# Altium PCB 1166V31.PcbDoc (part 3 of 7)
Units mil, origin at the board's own origin, x right, y up, seen from the top; angles counter-clockwise.
Board outline 6140.98 x 3937.01 mil, 8 copper layers (Top Layer, Layer 1, Layer 2, Layer 3, Layer 4, Layer 5, Layer 6, Bottom Layer), stack 63.002 mil thick; 647 components, 363 nets, 2300 pads, 1594 vias.
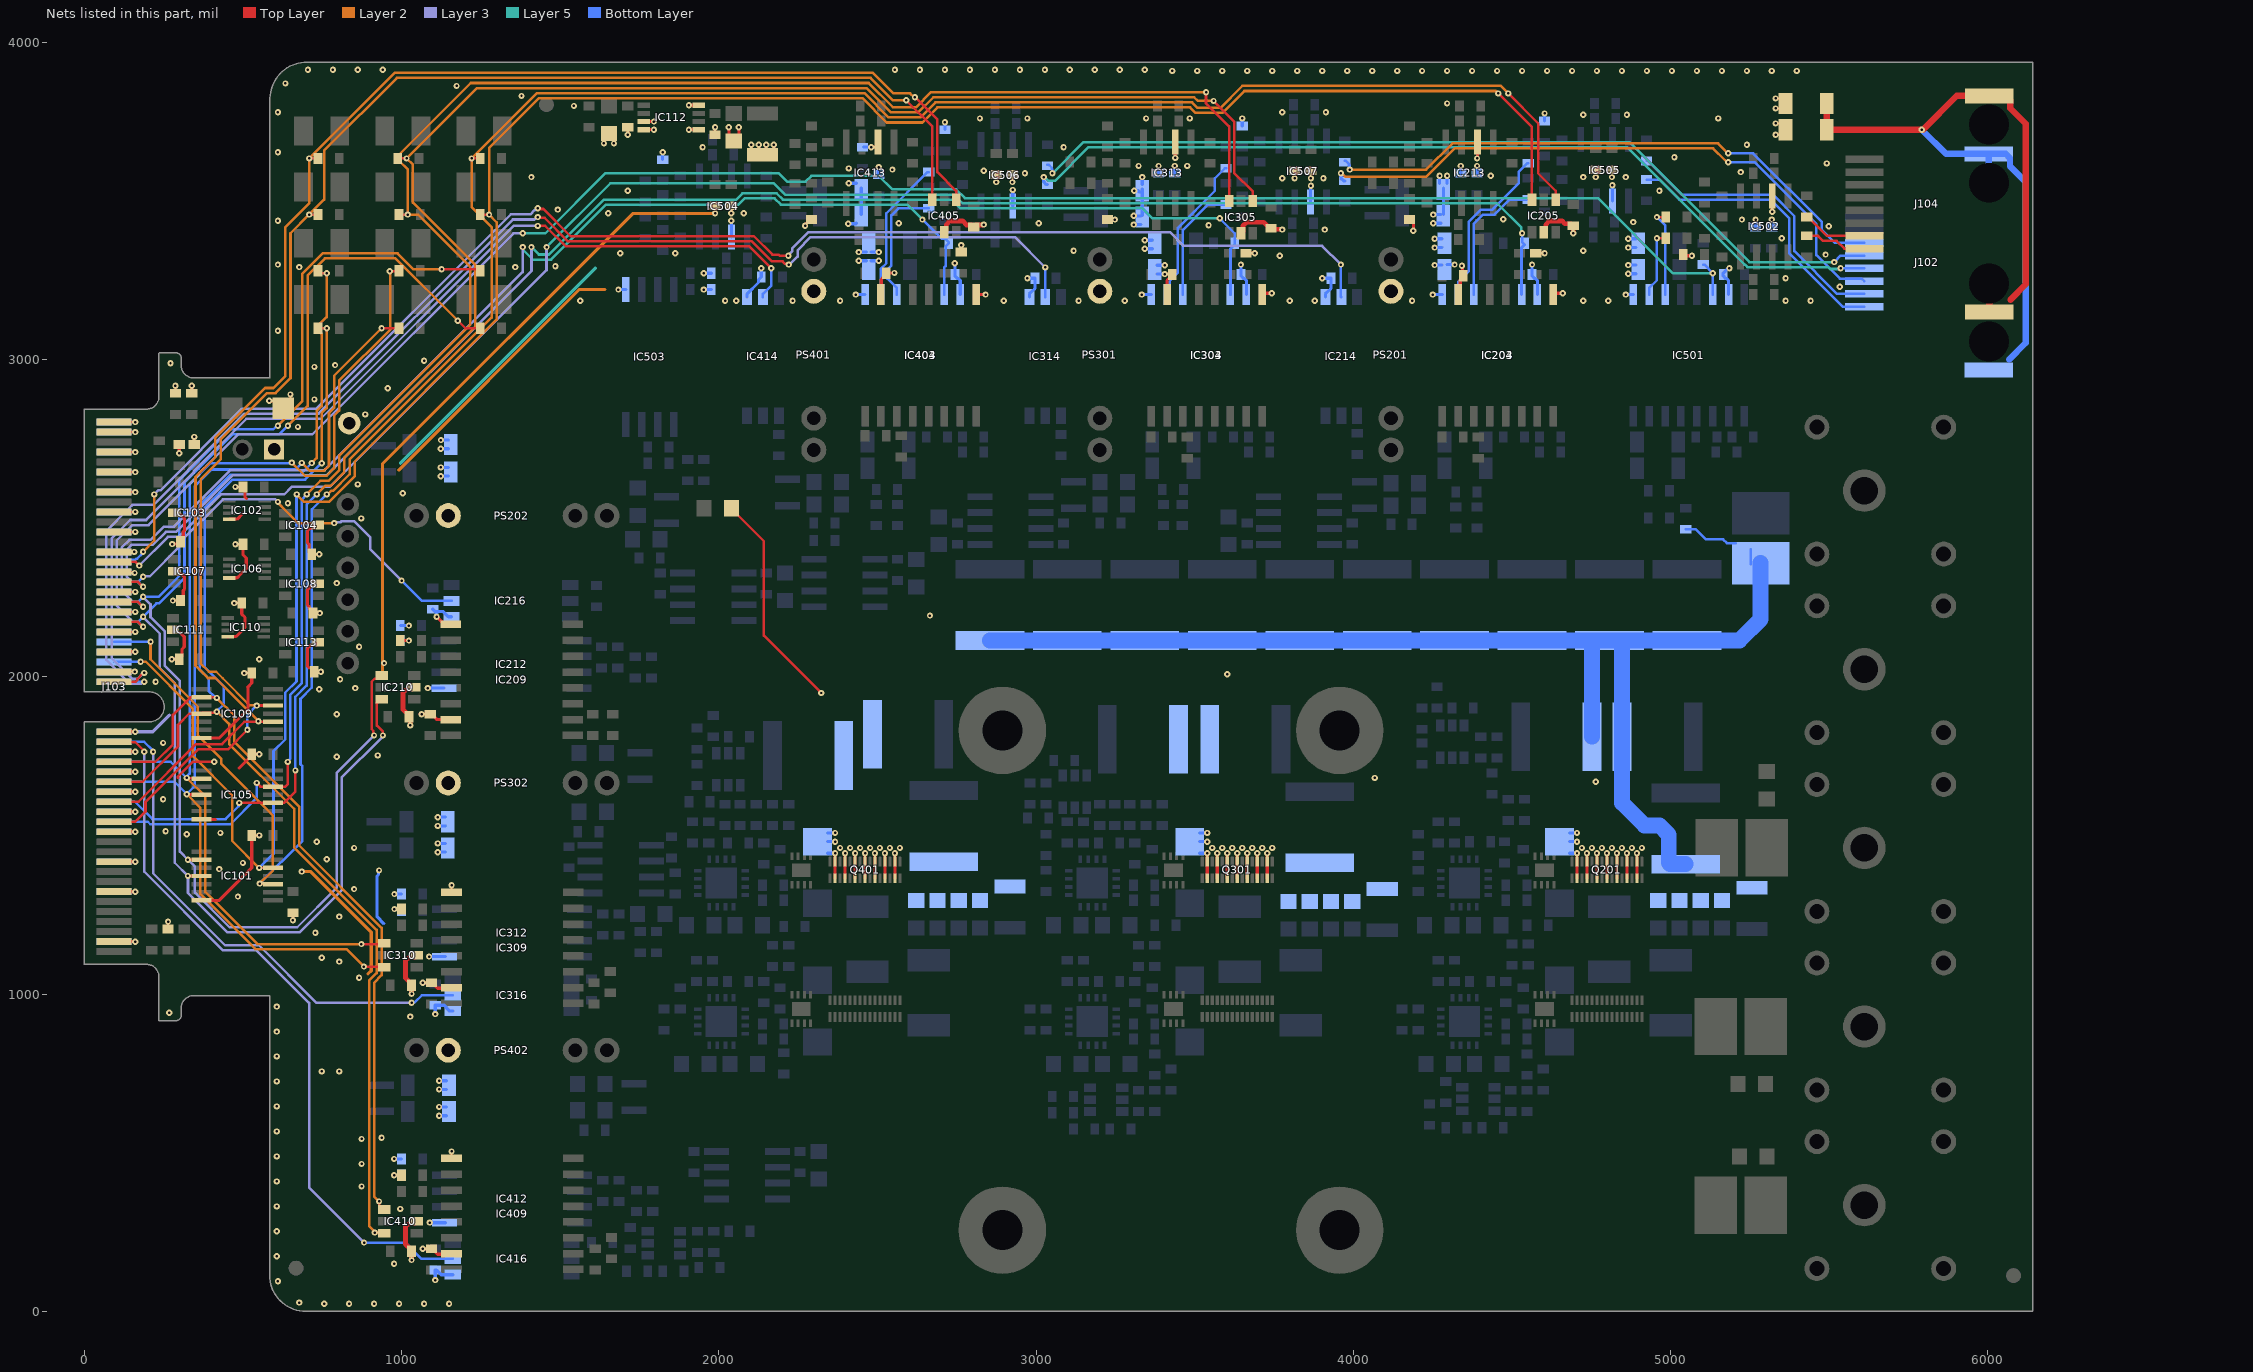
[diagram p9: the nets of this part, all layers, seen from the top]

## Via types
v1: diameter 19.68, hole 7.87, Top Layer to Bottom Layer, 1594 vias

## Nets (pads, with @x,y where several pads share a name; then routed paths per layer and width w, separated by ;. In a path a pad name is that pad's centre, name@x,y a point inside that pad or via, vN(x,y) a via of type N, cw(c..) or ccw(c..) an arc to the next point about the centre after c; other vN are vias at no path point) (continued)
DC: C201.1 C202.1 C203.1 C204.1 C205.1 C301.1 C302.1 C303.1 C304.1 C305.1 C401.1 C402.1 C403.1 C404.1 C405.1 C521.1 C522.1 C523.1 C524.1 C525.1 C526.1 C527.1 C543.1 C544.1 C545.1 C546.1 C547.1 C548.1 C549.1 C550.1 C551.1 C552.1 C553.1 C554.1 D202.2 D302.2 D402.2 Q201.3 Q201.4 Q201.7 Q201.8 Q201.11 Q201.12 Q201.15 Q201.16 Q201.19 Q201.20 Q201.23 Q201.24 Q201.27 Q201.28 Q301.3 Q301.4 Q301.7 Q301.8 Q301.11 Q301.12 Q301.15 Q301.16 Q301.19 Q301.20 Q301.23 Q301.24 Q301.27 Q301.28 Q401.3 Q401.4 Q401.7 Q401.8 Q401.11 Q401.12 Q401.15 Q401.16 Q401.19 Q401.20 Q401.23 Q401.24 Q401.27 Q401.28 R511.2 R515.1 R517.2 | length 6572.1
  Top Layer w8: R511.2@2039.37,2531.5 2039.37,2529.53 2141.73,2427.17 2141.73,2129.92 v1(2322.83,1948.82)
  Top Layer w10: Q401.4@2366.14,1364.96 Q401.3@2366.14,1417.32 v1(2366.14,1443.7) ; Q401.8@2397.64,1364.96 Q401.7@2397.64,1417.32 v1(2397.64,1443.7) ; Q401.12@2429.13,1364.96 Q401.11@2429.13,1417.32 v1(2429.13,1443.7) ; Q401.16@2460.63,1364.96 Q401.15@2460.63,1417.32 v1(2460.63,1443.7) ; Q401.20@2492.13,1364.96 Q401.19@2492.13,1417.32 v1(2492.13,1443.7) ; Q401.24@2523.62,1364.96 Q401.23@2523.62,1417.32 v1(2523.62,1443.7) ; Q401.28@2555.12,1364.96 Q401.27@2555.12,1417.32 v1(2555.12,1443.7) ; Q301.4@3539.37,1364.96 Q301.3@3539.37,1417.32 v1(3539.37,1443.7) ; Q301.8@3570.87,1364.96 Q301.7@3570.87,1417.32 v1(3570.87,1443.7) ; Q301.12@3602.36,1364.96 Q301.11@3602.36,1417.32 v1(3602.36,1443.7) ; Q301.16@3633.86,1364.96 Q301.15@3633.86,1417.32 v1(3633.86,1443.7) ; Q301.20@3665.35,1364.96 Q301.19@3665.35,1417.32 v1(3665.35,1443.7) ; Q301.24@3696.85,1364.96 Q301.23@3696.85,1417.32 v1(3696.85,1443.7) ; Q301.28@3728.35,1364.96 Q301.27@3728.35,1417.32 v1(3728.35,1443.7) ; Q201.4@4704.72,1364.96 Q201.3@4704.72,1417.32 v1(4704.72,1443.7) ; Q201.8@4736.22,1364.96 Q201.7@4736.22,1417.32 v1(4736.22,1443.7) ; Q201.12@4767.72,1364.96 Q201.11@4767.72,1417.32 v1(4767.72,1443.7) ; Q201.16@4799.21,1364.96 Q201.15@4799.21,1417.32 v1(4799.21,1443.7) ; Q201.20@4830.71,1364.96 Q201.19@4830.71,1417.32 v1(4830.71,1443.7) ; Q201.24@4862.2,1364.96 Q201.23@4862.2,1417.32 v1(4862.2,1443.7) ; Q201.28@4893.7,1364.96 Q201.27@4893.7,1417.32 v1(4893.7,1443.7)
  Bottom Layer w8: R515.1@5047.24,2464.57 5079.73,2464.57 5111.23,2433.07 5165.35,2433.07 5177.17,2421.26 R517.2@5204.72,2421.26 ; R517.2@5251.97,2354.33 R517.2@5251.97,2401.57
  Bottom Layer w10: D402.2@2342.52,1443.7 v1(2366.14,1443.7) ; D402.2@2342.52,1480.31 v1(2366.14,1480.31) ; D402.2@2342.52,1507.87 v1(2366.14,1507.87) ; D302.2@3515.75,1443.7 v1(3539.37,1443.7) ; D302.2@3515.75,1480.31 v1(3539.37,1480.31) ; D302.2@3515.75,1507.87 v1(3539.37,1507.87) ; D202.2@4681.1,1443.7 v1(4704.72,1443.7) ; D202.2@4681.1,1480.31 v1(4704.72,1480.31) ; D202.2@4681.1,1507.87 v1(4704.72,1507.87)
  Bottom Layer w50: C553.1@2854.33,2114.17 C543.1@3098.43,2114.17 C544.1@3342.52,2114.17 C545.1@3586.61,2114.17 C546.1@3830.71,2114.17 C547.1@4074.8,2114.17 C548.1@4318.9,2114.17 C549.1@4562.99,2114.17 C550.1@4751.97,2114.17 ; C526.1@4751.97,1811.02 C550.1@4751.97,2114.17 ; C527.1@5047.24,1409.45 4998.38,1409.45 4993.86,1413.98 4993.86,1502.21 4964.57,1531.5 4917.32,1531.5 4846.46,1602.36 C554.1@4846.46,1811.02 4846.46,2109.65 C550.1@4841.93,2114.17 ; R517.2@5283.46,2358.27 5283.46,2181.1 5216.54,2114.17 C551.1@5051.18,2114.17 C550.1@4841.93,2114.17 ; C550.1@4751.97,2114.17 C550.1@4807.09,2114.17 C550.1@4841.93,2114.17
  other v1: 2381.89,1460.63 2413.39,1460.63 2444.88,1460.63 2476.38,1460.63 2507.87,1460.63 2539.37,1460.63 2570.87,1460.63 3555.12,1460.63 3586.61,1460.63 3618.11,1460.63 3649.61,1460.63 3681.1,1460.63 3712.6,1460.63 3744.09,1460.63 4720.47,1460.63 4751.97,1460.63 4783.46,1460.63 4814.96,1460.63 4846.46,1460.63 4877.95,1460.63 4909.45,1460.63 4763.78,1669.29 4066.93,1681.1 3602.36,2007.87 2665.35,2192.91
FE: CX101.1 J102.S J104.S RX101.1 | length 2553.7
  Top Layer w20: RX101.1@5492.13,3807.09 CX101.1@5492.13,3724.41 v1(5791.34,3724.41) 5795.28,3724.41 5901.97,3831.1 J104.S@6003.94,3831.1 6056.89,3831.1 6070.51,3817.48 6070.51,3791.89 6119.13,3743.27 6119.13,3237.04 6070.87,3188.78 ; J104.S@6003.94,3149.21 J104.S@6003.94,3240.16
  Bottom Layer w20: v1(5791.34,3724.41) 5867.72,3648.03 J102.S@6002.95,3648.03 ; J102.S@6002.95,3557.09 J102.S@6002.95,3648.03 ; 6066.93,3000 6119.13,3052.2 6119.13,3559.22 6069.53,3608.82 6069.53,3634.41 6055.91,3648.03 J102.S@6002.95,3648.03
GaN_H1_FAULT: IC101.12 IC205.6 J103.50 R201.2 | length 7366.1
  Top Layer w8: v1(551.18,1397.64) IC101.12@594.49,1397.64 ; R201.2@1248.03,3456.69 v1(1275.59,3456.69) ; v1(4456.69,3838.58) 4562.8,3732.48 IC205.6@4562.8,3503.57
  Layer 2 w8: v1(177.17,2047.24) 193.91,2047.24 342.27,1898.88 342.27,1750.23 347.43,1745.07 466.35,1626.15 466.35,1482.47 v1(551.18,1397.64) ; v1(669.29,2574.8) 692.91,2551.18 771.5,2551.18 851.91,2631.58 851.91,2677.72 1299.72,3125.54 1299.72,3432.57 v1(1275.59,3456.69) 1275.59,3666.35 1432.75,3823.51 2452.12,3823.51 2528.73,3746.9 2641.56,3746.9 2689.17,3794.52 3485.01,3794.52 3502.41,3777.12 3587.15,3777.12 3656.23,3846.2 4448.82,3846.2 4456.44,3838.58 v1(4456.69,3838.58)
  Bottom Layer w8: J103.50@93.96,2047.07 176.99,2047.07 v1(177.17,2047.24) ; v1(551.18,1397.64) 596.27,1442.72 596.27,1765.56 633.35,1802.65 633.35,1950.26 668.79,1985.7 668.79,2574.3 v1(669.29,2574.8)
GaN_H1_OT: IC101.10 IC205.4 J103.46 R202.2 | length 7595.4
  Top Layer w8: v1(552.85,1348.12) 553.68,1347.29 593.66,1347.29 IC101.10@594.49,1346.46 ; v1(1220.47,3633.86) R202.2@1248.03,3633.86 ; v1(4488.19,3838.58) 4582.68,3744.09 4582.68,3586.61 4637.8,3531.5 IC205.4@4637.8,3503.57
  Layer 2 w8: v1(208.66,2110.24) 208.66,2055.12 358.27,1905.51 358.27,1814.96 431.29,1741.94 431.29,1726.27 594.49,1563.07 594.49,1389.76 v1(552.85,1348.12) ; v1(763.78,2574.8) 766.94,2574.8 777.74,2585.61 783.3,2585.61 835.91,2638.21 835.91,2684.35 1283.72,3132.16 1283.72,3417.07 1220.47,3480.31 v1(1220.47,3633.86) 1426.12,3839.51 2458.75,3839.51 2535.36,3762.9 2634.93,3762.9 2682.55,3810.52 3491.64,3810.52 3509.04,3793.12 3580.52,3793.12 3649.61,3862.2 4464.57,3862.2 v1(4488.19,3838.58)
  Bottom Layer w8: J103.46@93.96,2110.06 94.04,2110.15 208.57,2110.15 v1(208.66,2110.24) ; v1(552.85,1348.12) 687.2,1482.47 687.2,1718.31 681.35,1724.16 681.35,1930.38 716.79,1965.81 716.79,2527.81 v1(763.78,2574.8)
GaN_H1_Temp: IC214.5 J103.30 | length 4660.4
  Top Layer w8: v1(1429.13,3476.5) 1431.37,3474.27 1446.99,3474.27 1532.77,3388.49 2110.52,3388.49 2168.79,3330.21 2188.48,3330.21 2191.87,3326.82 v1(2219.48,3326.82)
  Layer 2 w8: v1(185.04,2393.7) 220.47,2429.13 v1(220.47,2574.8)
  Layer 3 w8: v1(220.47,2574.8) 234.25,2588.58 241.08,2588.58 497.68,2845.18 732,2845.18 1344.02,3457.2 1406.02,3457.2 1419.48,3470.66 1420.13,3470.66 1425.97,3476.5 v1(1429.13,3476.5) ; v1(2219.48,3326.82) 2219.48,3329.98 2232.03,3342.54 2232.03,3350.75 2282.86,3401.57 3421.26,3401.57 3464.57,3358.27 3901.57,3358.27 v1(3960.63,3299.21)
  Bottom Layer w8: J103.30@93.96,2362.03 100.78,2368.85 160.8,2368.85 164.18,2372.24 166.86,2372.24 182.8,2388.18 182.8,2391.47 v1(185.04,2393.7) ; v1(3960.63,3299.21) 3960.63,3198.03 IC214.5@3961.81,3196.85
GaN_H2_FAULT: IC105.12 IC305.6 J103.74 R301.2 | length 6077.6
  Top Layer w8: v1(543.31,1665.35) 555.12,1653.54 IC105.12@594.49,1653.54 633.86,1653.54 641.73,1661.42 v1@641.73,1728.35 ; R301.2@992.13,3456.69 v1(1019.69,3456.69) ; v1(3535.43,3842.52) 3535.43,3807.09 3608.17,3734.35 IC305.6@3608.17,3499.64
  Layer 2 w8: v1(700.79,2574.8) 743.59,2617.61 770.05,2617.61 803.91,2651.47 803.91,2697.61 1216.54,3110.24 1216.54,3291.34 1051.18,3456.69 v1(1019.69,3456.69) 1019.69,3598.43 990.16,3627.95 990.16,3643.7 1217.96,3871.51 2472.01,3871.51 2548.49,3795.02 2566.93,3795.02 ; 2566.93,3794.9 2621.68,3794.9 2669.29,3842.52 v1(3535.43,3842.52)
  Bottom Layer w8: J103.74@93.96,1543.13 199.94,1543.13 207.89,1535.18 460.38,1535.18 543.31,1618.11 v1(543.31,1665.35) ; v1(641.02,1731.57) 641.02,1734.73 649.35,1743.07 649.35,1943.64 684.79,1979.07 684.79,2557.81 700.79,2573.81 v1(700.79,2574.8)
GaN_H2_OT: IC105.10 IC305.4 J103.70 R302.2 | length 6053
  Top Layer w8: v1(488.19,1602.36) IC105.10@594.49,1602.36 629.92,1602.36 665.35,1637.8 v1(665.35,1704.72) ; R302.2@988.19,3633.86 v1(1015.75,3633.86) ; v1(3559.06,3814.96) 3624.17,3749.85 3624.17,3588.43 3683.17,3529.43 IC305.4@3683.17,3499.64
  Layer 2 w8: v1(732.28,2574.8) 759.09,2601.61 776.67,2601.61 819.91,2644.84 819.91,2690.98 1232.54,3103.61 1232.54,3297.97 1035.69,3494.82 1035.69,3613.92 v1(1015.75,3633.86) 1237.4,3855.51 2465.38,3855.51 2541.98,3778.9 2628.3,3778.9 2675.92,3826.52 3498.26,3826.52 3509.82,3814.96 v1(3559.06,3814.96)
  Bottom Layer w8: J103.70@94.95,1605.13 J103.70@93.96,1606.12 159.57,1606.12 214.51,1551.18 445.27,1551.18 485.95,1591.86 485.95,1600.13 v1(488.19,1602.36) ; v1(665.35,1704.72) 665.35,1937.01 700.79,1972.44 700.79,2543.31 v1(732.28,2574.8)
GaN_H2_Temp: IC314.5 J103.54 | length 4266.9
  Top Layer w8: v1(1429.13,3448.82) 1431.29,3446.66 1450.98,3446.66 1525.15,3372.49 2103.89,3372.49 2167.13,3309.24 2200.65,3309.24 2208.51,3301.38 2218.17,3301.38 v1(2220.41,3299.15)
  Layer 3 w8: v1(188.98,1984.25) 185.81,1984.25 179.12,1977.55 144.68,1977.55 69.86,2052.37 69.86,2459.62 141.68,2531.44 141.68,2531.55 151.66,2541.53 218.09,2541.53 328.28,2651.72 328.28,2653.16 504.3,2829.18 738.63,2829.18 1350.65,3441.2 1418.35,3441.2 1425.97,3448.82 v1(1429.13,3448.82) ; v1(2220.41,3299.15) 2222.7,3299.15 2248.03,3324.48 2248.03,3344.12 2289.49,3385.57 2933.32,3385.57 v1(3028.74,3290.16)
  Bottom Layer w8: J103.54@93.96,1984.08 188.8,1984.08 v1(188.98,1984.25) ; IC314.5@3028.74,3196.85 v1(3028.74,3290.16)
GaN_H3_FAULT: IC109.12 IC405.6 J103.73 R401.2 | length 5056.8
  Top Layer w8: J103.73@93.96,1543.13 161.24,1543.13 192.91,1574.8 192.91,1605.54 358.77,1771.4 452.5,1771.4 v1(514.08,1832.98) ; v1(543.31,1909.32) 543.37,1909.39 594.42,1909.39 IC109.12@594.49,1909.45 ; v1(708.66,3456.69) R401.2@736.22,3456.69 ; v1(2590.55,3816.75) 2673.03,3734.27 IC405.6@2673.03,3503.57
  Layer 2 w8: v1(543.31,1909.32) 542.56,1910.07 521.53,1910.07 436.27,1995.33 415.85,2015.75 392.71,2015.75 366.39,2042.06 366.39,2622.3 429.39,2685.29 429.39,2747.31 576.2,2894.12 602.79,2894.12 649.86,2941.2 649.86,3397.89 v1(708.66,3456.69) 755.91,3503.94 755.91,3658.47 984.94,3887.51 2478.63,3887.51 2549.4,3816.75 v1(2590.55,3816.75)
  Bottom Layer w8: v1(514.08,1832.98) 514.08,1880.1 v1(543.31,1909.32)
GaN_H3_OT: IC109.10 IC405.4 J103.69 R402.2 | length 5098.5
  Top Layer w8: J103.69@93.96,1606.12 170.87,1606.12 352.15,1787.4 434.07,1787.4 504.93,1858.27 v1@550.57,1858.27 ; v1(548.91,1859.93) v1@550.57,1858.27 ; IC109.10@594.49,1858.27 v1@550.57,1858.27 ; v1(708.66,3633.86) R402.2@736.22,3633.86 ; v1(2618.11,3826.77) 2689.03,3755.85 2689.03,3590.5 2748.03,3531.5 IC405.4@2748.03,3503.57
  Layer 2 w8: v1(548.91,1859.93) 548.91,1860.06 412.91,1996.06 389.76,1996.06 350.39,2035.43 350.39,2628.93 413.39,2691.92 413.39,2753.94 569.57,2910.12 596.16,2910.12 633.86,2947.82 633.86,3417.32 708.66,3492.13 v1(708.66,3633.86) 978.31,3903.51 2485.26,3903.51 2550.18,3838.59 2603.13,3838.59 2614.95,3826.77 v1(2618.11,3826.77)
GaN_H3_Temp: IC414.5 J103.53 | length 3269.2
  Top Layer w8: J103.53@93.96,1984.08 161.07,1984.08 167.13,1990.14 167.13,1993.3 183.54,2009.7 186.74,2009.7 v1(188.98,2011.94) ; v1(1429.13,3421.13) 1429.26,3421.26 1452.76,3421.26 1517.53,3356.49 2096.27,3356.49 v1(2165.35,3287.4)
  Layer 3 w8: 179.93,2006.09 167.39,1993.55 151.31,1993.55 85.86,2059 85.86,2435.26 144.73,2494.13 194.92,2494.13 344.28,2643.5 344.28,2646.53 510.93,2813.18 745.26,2813.18 1353.34,3421.26 1429.01,3421.26 v1(1429.13,3421.13) ; 179.97,2006.09 185.81,2011.94 v1(188.98,2011.94)
  Bottom Layer w8: IC414.5@2138.98,3196.85 2138.98,3206.69 2165.35,3233.07 v1(2165.35,3287.4)
GaN_L1_FAULT: IC101.4 IC210.6 J103.42 R203.2 | length 4374.1
  Top Layer w8: v1@326.58,1371.86 v1(326.77,1372.05) IC101.4@370.08,1372.05 ; IC210.6@937.37,1928.94 934.7,1928.94 925.2,1919.44 921.87,1919.44 921.87,1846.15 940.94,1827.08 940.94,1815.09 v1(941.07,1814.96) ; v1(1177.17,3122.05) 1200.79,3098.43 R203.2@1248.03,3098.43
  Layer 2 w8: v1(641.73,2791.34) 703.57,2853.17 703.57,3264.22 757.99,3318.65 980.57,3318.65 v1(1177.17,3122.05)
  Layer 3 w8: v1(185.04,2188.98) 237.75,2136.27 237.75,2027.63 285.12,1980.26 285.12,1597.24 284.99,1597.11 284.99,1413.83 v1(326.77,1372.05) 326.77,1318.9 451.23,1194.44 678.69,1194.44 811.28,1327.02 811.28,1681.96 935.23,1805.91 ; 935.23,1805.96 941.07,1811.8 v1(941.07,1814.96)
  Bottom Layer w8: J103.42@94.04,2173.14 J103.42@93.96,2173.05 169.12,2173.05 v1(185.04,2188.98) 227.5,2231.43 235.37,2231.43 315.73,2311.8 315.73,2612.96 466.56,2763.78 614.17,2763.78 v1(641.73,2791.34)
GaN_L1_OT: IC101.2 IC210.4 J103.38 R207.2 | length 4372.5
  Top Layer w8: v1(326.77,1423.23) IC101.2@370.08,1423.23 ; v1(913.39,1814.96) 911.15,1817.2 911.15,1829.37 905.87,1834.65 905.87,1984.91 915.4,1994.44 927.87,1994.44 IC210.4@937.37,2003.94 ; v1(1125.98,3284.03) 1243.53,3284.03 R207.2@1248.03,3279.53
  Layer 2 w8: v1(610.24,2791.34) 687.57,2868.67 687.57,3270.85 751.36,3334.65 987.19,3334.65 1037.81,3284.03 v1(1125.98,3284.03)
  Layer 3 w8: v1(185.04,2251.97) 208.66,2228.35 208.66,2187.98 253.75,2142.9 253.75,2034.26 301.12,1986.89 301.12,1544.75 300.99,1544.63 300.99,1449.01 v1(326.77,1423.23) 348.61,1401.39 348.61,1319.68 457.86,1210.44 671.07,1210.44 795.28,1334.65 795.28,1696.85 v1(913.39,1814.96)
  Bottom Layer w8: J103.38@93.96,2236.04 169.11,2236.04 v1(185.04,2251.97) 233.28,2251.97 299.73,2318.42 299.73,2619.58 459.93,2779.78 595.52,2779.78 607.07,2791.34 v1(610.24,2791.34)
GaN_L1_Temp: IC216.5 J103.34 | length 1340.5
  Layer 2 w8: v1(610.24,2551.18) 610.24,2548.02 619.89,2538.37 619.89,2538.2 673.83,2484.25 v1(787.4,2484.25)
  Layer 3 w8: v1(185.04,2314.96) 186.9,2316.83 206.88,2316.83 302.26,2412.2 302.26,2424.31 437.01,2559.06 602.36,2559.06 v1(610.24,2551.18) ; v1(787.4,2484.25) 789.64,2486.49 806.81,2486.49 811.06,2490.74 850.36,2490.74 901.57,2439.52 901.57,2401.57 v1(1000,2303.15)
  Bottom Layer w8: J103.34@93.96,2299.04 169.11,2299.04 v1(185.04,2314.96) ; v1(1000,2303.15) 1064.17,2238.98 IC216.5@1157.48,2238.98
GaN_L2_FAULT: IC105.4 IC310.6 J103.66 R303.2 | length 3309
  Top Layer w8: v1(322.96,1629.92) 323.94,1628.94 369.09,1628.94 IC105.4@370.08,1627.95 ; v1(881.42,1086.61) 943.18,1086.61 IC310.6@945.24,1084.55 ; v1(937.01,3098.43) R303.2@992.13,3098.43
  Layer 2 w8: v1(322.96,1629.92) 322.96,1629.8 365.89,1586.87 365.89,1314.84 373.83,1306.9 539.25,1141.48 827.02,1141.48 881.42,1087.09 v1(881.42,1086.61) ; v1(685.66,2673.85) 709.9,2649.61 755.91,2649.61 771.21,2664.91 771.21,2831.26 787.4,2847.45 787.4,2948.82 v1(937.01,3098.43)
  Bottom Layer w8: J103.66@93.96,1669.11 283.64,1669.11 v1@322.83,1629.92 ; v1(322.96,1629.92) v1@322.83,1629.92 ; v1(685.66,2673.85) 665.04,2653.23 401.26,2653.23 347.73,2599.7 347.73,1654.82 v1@322.83,1629.92
GaN_L2_OT: IC105.2 IC310.4 J103.62 R307.2 | length 3482.9
  Top Layer w8: v1(322.96,1681.1) 323.94,1680.12 369.09,1680.12 IC105.2@370.08,1679.13 ; v1@875.94,1157.48 943.18,1157.48 IC310.4@945.24,1159.55 ; v1(962.9,3277.86) 990.46,3277.86 R307.2@992.13,3279.53
  Layer 2 w8: v1(322.96,1681.1) 322.96,1680.98 381.89,1622.05 381.89,1321.47 545.88,1157.48 v1(873.54,1157.48) ; v1(653.54,2675.07) 695.01,2633.61 763.42,2633.61 787.21,2657.4 787.21,2822.65 803.4,2838.83 803.4,2933.93 964.57,3095.09 964.57,3276.2 v1(962.9,3277.86)
  Bottom Layer w8: J103.62@93.96,1732.11 271.83,1732.11 v1@320.68,1683.26 ; v1(322.96,1681.1) 322.83,1681.1 v1@320.68,1683.26 ; v1(653.54,2675.07) v1@651.51,2673.04 ; v1@659.39,2673.04 v1@651.51,2673.04 ; v1@320.68,1683.26 320.68,1683.94 331.73,1695 331.73,2606.33 398.44,2673.04 v1@651.51,2673.04
GaN_L2_Temp: IC316.5 J103.58 | length 1644.2
  Layer 3 w8: v1(216.66,1763.78) 216.66,1380.77 443.64,1153.8 549.93,1153.8 731.29,972.44 v1(1031.5,972.44)
  Bottom Layer w8: J103.58@93.96,1795.1 188.55,1795.1 214.43,1769.22 214.43,1766.02 v1(216.66,1763.78) ; v1(1031.5,972.44) 1033.73,974.68 1042.21,974.68 1063.6,996.06 IC316.5@1161.42,996.06
GaN_L3_FAULT: IC109.4 IC410.6 J103.65 R404.2 | length 3916.1
  Top Layer w8: J103.65@93.96,1669.11 183.87,1669.11 295.28,1780.52 295.28,1848.42 330.71,1883.86 IC109.4@370.08,1883.86 372.97,1886.75 411.02,1886.75 414.16,1889.89 v1(417.32,1889.89) ; R404.2@736.22,3098.43 v1(763.78,3098.43) ; v1(915.8,248.03) 943.18,248.03 IC410.6@945.24,245.96
  Layer 2 w8: v1(417.32,1889.89) 418.1,1889.89 456.69,1851.3 456.69,1788.4 661.17,1583.92 661.17,1462.24 921.26,1202.14 921.26,1065.93 897.39,1042.06 897.39,268.89 915.8,250.48 v1(915.8,248.03) ; v1(748.03,2673.23) 748.03,2830.71 763.78,2846.46 v1(763.78,3098.43)
  Bottom Layer w8: v1(417.32,1889.89) 439.17,1911.73 439.17,1970.28 379.73,2029.72 379.73,2533.28 467.69,2621.23 696.03,2621.23 v1(748.03,2673.23)
GaN_L3_OT: IC109.2 IC410.4 J103.61 R407.2 | length 3988.6
  Top Layer w8: J103.61@93.96,1732.11 224.23,1732.11 279.28,1787.15 279.28,1879.67 334.65,1935.04 IC109.2@370.08,1935.04 v1@411.42,1935.04 ; R407.2@736.22,3271.65 v1(763.78,3271.65) ; IC410.4@929.5,320.96 v1@929.5,346.09
  Layer 2 w8: v1(417.32,1933.07) 472.69,1877.7 472.69,1795.02 677.17,1590.55 677.17,1468.86 937.26,1208.77 937.26,1059.31 913.39,1035.43 913.39,362.2 v1(929.13,346.46) ; v1(716.85,2673.54) 716.85,2674.07 732.03,2689.25 732.03,2837.34 747.78,2853.08 747.78,3080.77 741.94,3086.61 741.94,3112.02 763.78,3133.86 v1(763.78,3271.65)
  Bottom Layer w8: 408.28,1938.91 391.54,1955.65 391.54,1995.28 363.73,2023.09 363.73,2539.9 461.06,2637.23 680.54,2637.23 v1(716.85,2673.54) ; 408.32,1938.91 414.16,1933.07 v1(417.32,1933.07)
GaN_L3_Temp: IC416.5 J103.57 | length 2306.4
  Top Layer w8: J103.57@93.96,1795.1 95.46,1793.6 161.07,1793.6 188.98,1765.7 v1(188.98,1763.78)
  Layer 3 w8: v1(188.98,1763.78) 188.98,1385.83 437.01,1137.8 543.31,1137.8 708.66,972.44 708.66,389.76 v1(881.89,216.54)
  Bottom Layer w8: v1(881.89,216.54) 1011.81,216.54 1062.99,165.35 IC416.5@1161.42,165.35
GND: C101.1 C102.1 C103.1 C104.1 C105.1 C106.1 C107.1 C108.1 C109.1 C206.1 C207.1 C212.1 C213.2 C214.2 C218.1 C226.1 C227.1 C235.1 C241.1 C306.1 C307.1 C312.1 C313.2 C314.2 C318.1 C326.1 C327.1 C335.1 C341.1 C406.1 C407.1 C412.1 C413.2 C414.2 C418.1 C426.1 C427.1 C435.1 C441.1 C502.1 C505.2 C506.2 C507.1 C519.1 C532.1 C536.1 C541.1 CF101.1 CF102.1 CF103.1 CF104.2 CF105.2 CF106.2 CF107.2 CF108.2 CF109.2 CF110.2 CF111.2 CF112.2 CF204.2 CF206.2 CF210.2 CF212.2 CF213.2 CF214.2 CF215.2 CF216.2 CF219.1 CF221.1 CF304.2 CF306.2 CF310.2 CF312.2 CF313.2 CF314.2 CF315.2 CF316.2 CF319.1 CF321.1 CF404.2 CF406.2 CF410.2 CF412.2 CF413.2 CF414.2 CF415.2 CF416.2 CF419.1 CF421.1 CF501.2 CF502.2 CF503.2 CF504.2 CF507.2 CF508.2 CF509.2 CF510.2 CF511.2 CF512.2 CF513.2 CF514.2 CX101.2 D101.1 IC101.7 IC102.4 IC103.2 IC104.2 IC105.7 IC106.4 IC107.2 IC108.2 IC109.7 IC110.4 IC111.2 IC112.3 IC112.4 IC112.5 IC112.8 IC113.2 IC203.9 IC203.15 IC204.9 IC204.15 IC205.2 IC209.9 IC209.15 IC210.2 IC212.5 IC213.6 IC214.4 IC216.4 IC303.9 IC303.15 IC304.9 IC304.15 IC305.2 IC309.9 IC309.15 IC310.2 IC312.5 IC313.6 IC314.4 IC316.4 IC403.9 IC403.15 IC404.9 IC404.15 IC405.2 IC409.9 IC409.15 IC410.2 IC412.5 IC413.6 IC414.4 IC416.4 IC501.9 IC501.15 IC502.6 IC503.5 IC504.6 IC505.6 IC506.6 IC507.6 J101.1 J103.1 J103.2 J103.3 J103.4 J103.7 J103.8 J103.11 J103.12 J103.15 J103.16 J103.19 J103.20 J103.23 J103.24 J103.27 J103.28 J103.31 J103.32 J103.35 J103.36 J103.39 J103.40 J103.43 J103.44 J103.47 J103.48 J103.51 J103.52 J103.55 J103.56 J103.59 J103.60 J103.63 J103.64 J103.67 J103.68 J103.71 J103.72 J103.75 J103.76 J103.81 J103.82 J103.87 J103.88 J103.97 J103.98 PS201.2 PS202.2 PS301.2 PS302.2 PS401.2 PS402.2 R101.2 R102.1 RX101.2 TP107.1 | length 15872.8